# KiCad board boatcontrol.kicad_pcb (continued)
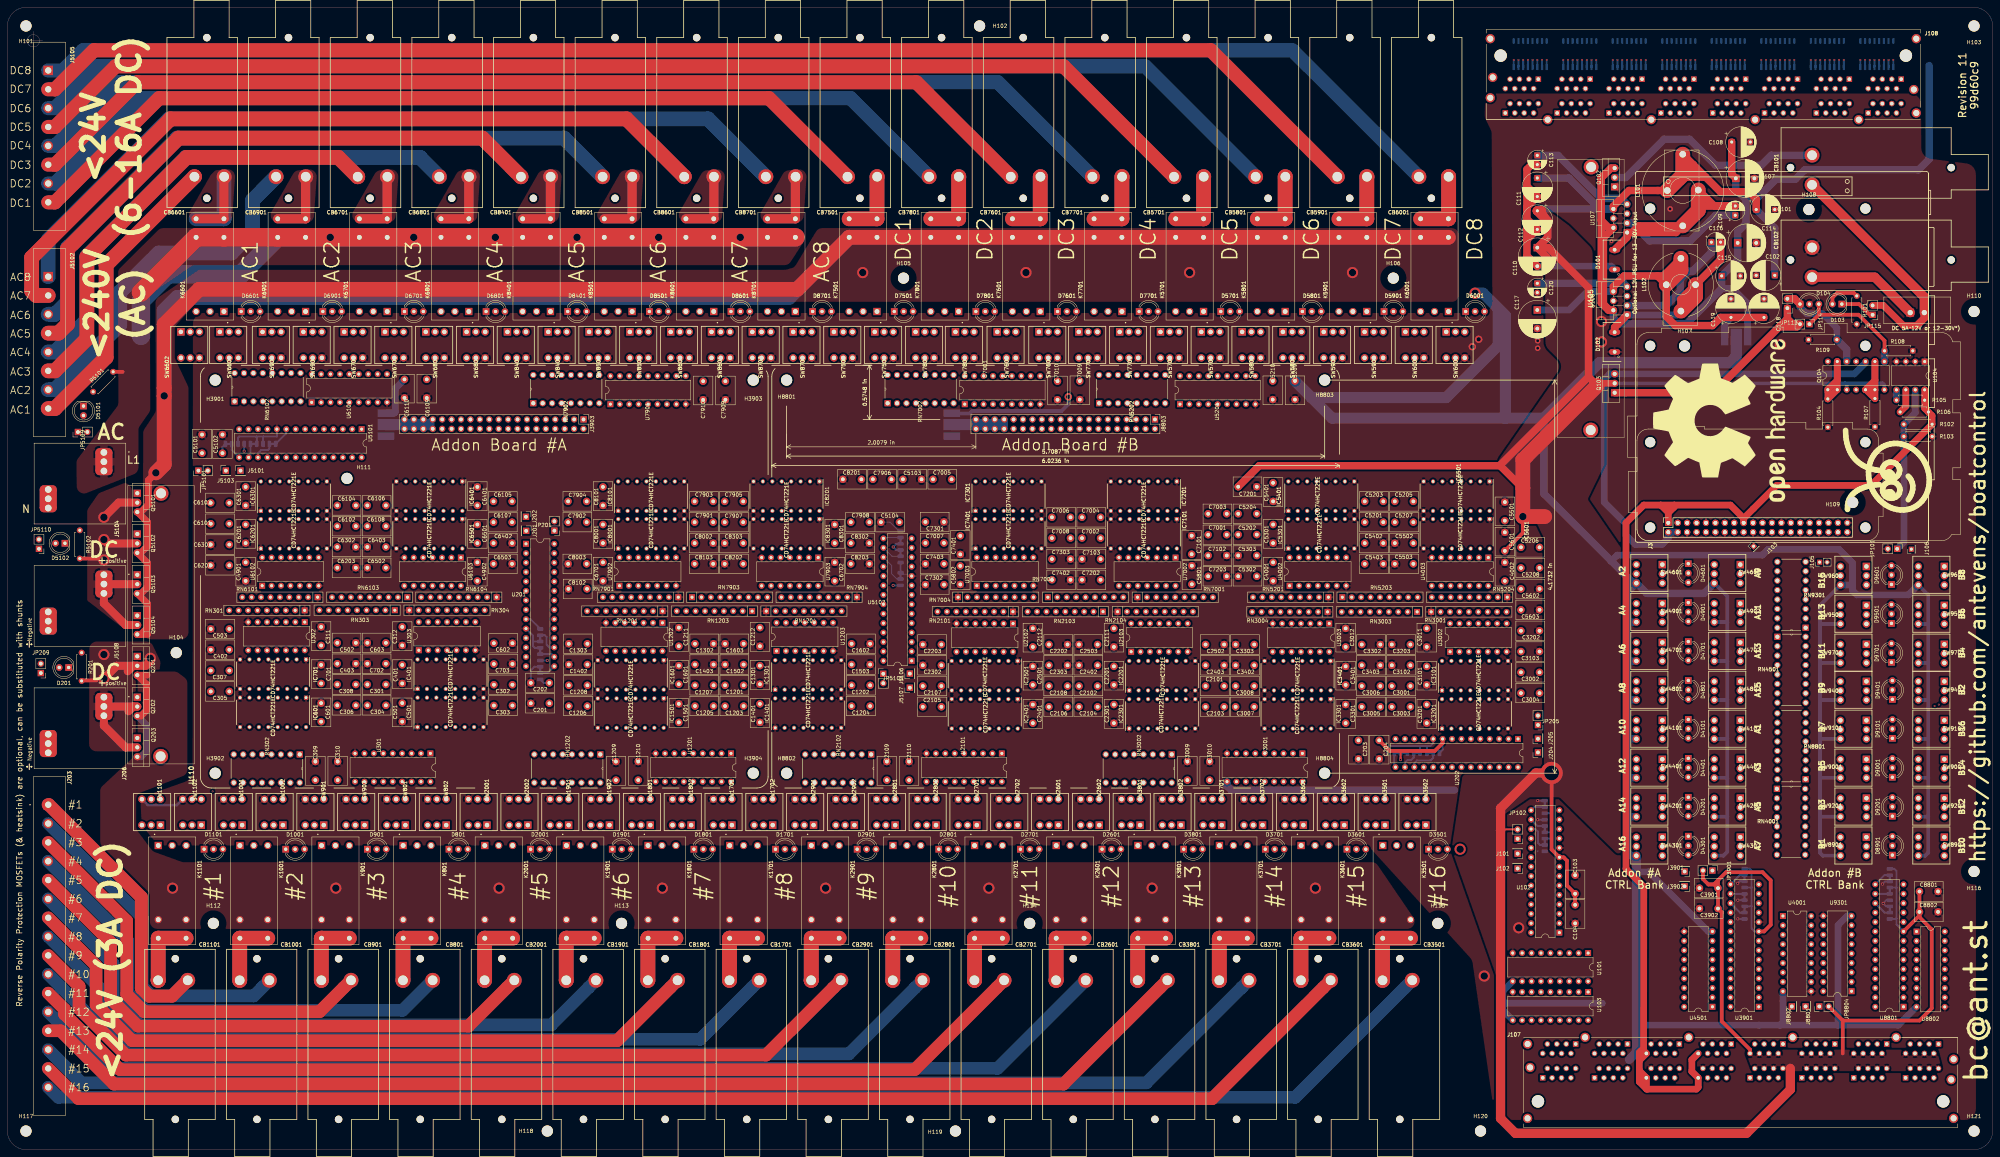
[diagram p0: board, top side]
## Routing (per net, layer and track width the routed paths; a pad name or vN(x,y) marks a point on that pad's centre or on a via; arc(x,y) is an arc through that point) (continued)
230V_AC_C4_ON: length 342.7
  In1.Cu w0.25: U7903.10 208.34,151.73 RN7904.8 ; v4(226.63,147.03) 227.6,148 227.6,155.05 225.75,156.9 225.75,161.99 C8302.2 227.3,166.93 231.7,171.33 236.79,171.33 240.94,175.47 243.22,175.47 243.98,176.23 319.31,176.23 329.9,186.82 357.82,186.82 368.12,197.12 396.79,197.12 414.68,215 414.68,259.5 431.58,276.4 439.19,276.4 441.37,278.58 441.37,279.91 442.65,281.19 442.65,281.74 445.41,284.5 449.08,284.5 J108.M_4
  In2.Cu w0.25: v4(226.63,147.03) 225.98,146.38 216.73,146.38 215.33,147.77 212.3,147.77 RN7904.8
230V_AC_C5_OFF: length 435.6
  In1.Cu w0.25: U6102.5 78.81,151.78 RN6101.4 ; J108.H_8 411.31,280.8 410.5,280.8 410.05,280.35 410.05,278.9 402.86,271.71 402.86,216.62 392.86,206.62 364.17,206.62 353.87,196.32 323.6,196.32 312.91,185.63 274.19,185.63 271.92,187.9 202.62,187.9 201.47,186.75 134.61,186.75 131.06,183.2 100.35,183.2 91.65,174.5 91.65,159.65 C6203.2
  In2.Cu w0.25: U6102.5 83.66,156.9 C6203.2
230V_AC_C5_ON: length 482.6
  In1.Cu w0.25: J108.H_4 406.28,280.85 405.45,280.85 404.95,280.35 404.95,278.64 401.86,275.54 401.86,217.03 392.45,207.62 363.76,207.62 353.46,197.32 323.19,197.32 312.5,186.63 274.6,186.63 272.34,188.9 202.21,188.9 201.06,187.75 134.2,187.75 130.65,184.2 100.7,184.2 94.91,189.99 62.87,189.99 56.75,183.87 56.75,168.35 61.4,163.7 61.4,159.15 C6202.2 61.65,155.7 67.54,155.7 U6102.2 69.59,150.45 67.32,150.45 RN6101.8
230V_AC_C6_OFF: length 486.2
  In1.Cu w0.25: U6102.13 71.19,153.88 72.45,152.62 72.45,151.2 71.8,150.55 70.45,150.55 69.85,149.95 69.36,149.95 RN6101.7 ; C6303.2 56.25,166.7 56.25,184.07 62.67,190.49 95.12,190.49 100.91,184.7 130.44,184.7 134.02,188.27 200.87,188.27 202,189.4 272.54,189.4 274.81,187.13 312.29,187.13 322.98,197.82 353.25,197.82 363.55,208.12 392.24,208.12 401.36,217.24 401.36,279.9 403.52,282.07 J108.H_2
  In2.Cu w0.25: C6303.2 59.8,160.4 63.8,156.4 67.92,156.4 U6102.13
230V_AC_C6_ON: length 438.3
  In1.Cu w0.25: J108.H_6 408.77,280.8 408.05,280.8 407.5,280.25 407.5,278.85 402.36,273.71 402.36,216.83 392.65,207.12 363.97,207.12 353.67,196.82 323.4,196.82 312.71,186.13 274.4,186.13 272.13,188.4 202.41,188.4 201.26,187.25 134.41,187.25 130.86,183.7 100.14,183.7 91.15,174.71 91.15,164.75 C6302.2 ; U6102.10 78.81,154.34 80.17,152.98 80.17,150.6 RN6101.3
  In2.Cu w0.25: C6302.2 83.85,157.45 79.9,157.45 78.81,158.54 U6102.10
230V_AC_C7_OFF: length 440
  In1.Cu w0.25: C6403.2 99.4,165.1 99.4,177.35 104.25,182.2 131.48,182.2 135.03,185.75 201.89,185.75 203.04,186.9 271.51,186.9 273.77,184.63 313.33,184.63 324.02,195.32 354.29,195.32 364.59,205.62 393.27,205.62 403.86,216.21 403.86,269.72 414.19,280.06 414.19,281.94 417.25,285 419.09,285 J108.O_6 420.2,286.05 ; U6103.5 112.04,158.16 115.78,154.42 115.78,149.75 RN6104.7
  In2.Cu w0.25: C6403.2 103.67,160.83 110.86,160.83 U6103.5
230V_AC_C7_ON: length 414
  In1.Cu w0.25: U6103.2 119.66,157.6 126.74,150.52 RN6104.3 ; C6402.2 129.62,164.92 129.62,175.46 129.65,175.45 129.65,175.47 139.42,185.25 202.09,185.25 203.24,186.4 271.3,186.4 273.57,184.13 313.54,184.13 324.23,194.82 354.5,194.82 364.8,205.12 393.48,205.12 404.36,216 404.36,269.51 414.69,279.85 414.69,281.73 417.46,284.5 421.13,284.5 J108.O_4
  In2.Cu w0.25: C6402.2 127.66,160.2 125.7,160.2 123.15,157.65 121.66,157.65 U6103.2
230V_AC_C8_OFF: length 414.6
  In1.Cu w0.25: U6103.13 121.09,150.6 122.55,150.6 RN6104.4 ; J108.O_2 423.17,284 417.67,284 416.55,282.87 416.55,278.6 416.75,278.4 416.75,276.97 415.88,276.1 411.65,276.1 404.86,269.31 404.86,215.79 393.69,204.62 365,204.62 354.7,194.32 324.43,194.32 313.74,183.63 273.36,183.63 271.09,185.9 203.46,185.9 203.16,185.61 203.16,185.61 202.3,184.75 139.63,184.75 132.38,177.49 132.38,159.33 C6503.2
  In2.Cu w0.25: C6503.2 128.4,155.35 122.98,155.35 U6103.13
230V_AC_C8_ON: length 439
  In1.Cu w0.25: J108.O_8 413.69,282.14 413.69,280.27 403.36,269.93 403.36,216.41 393.07,206.12 364.38,206.12 354.08,195.82 323.81,195.82 313.12,185.13 273.98,185.13 271.72,187.4 202.83,187.4 201.68,186.25 134.82,186.25 131.27,182.7 104.04,182.7 98.9,177.56 98.9,160 C6502.2 ; RN6104.8 112.04,150.95 U6103.10
  In2.Cu w0.25: U6103.10 110.86,153.21 101.96,153.21 101,154.16 101,155.9 C6502.2
+5V: length 2856.1
  Top w0.5: 407,96.65 411.91,101.55
  Top w0.508: v1(375.45,105.15) 375.45,107.5 ; 402.4,86.05 402.69,86.34 JP102.2
  Top w1: 458.4,71.5 459.9,71.5 461,72.6 ; 458.4,71.5 460,71.5 C3901.1 ; 458.4,71.5 456.96,72.94 456.96,75 ; J107.E_8 469.62,26.98 462,34.6 462,64 C3902.1 C3901.1 ; C3901.1 461,72.6 ; U202.9 386.79,109.61 384.68,107.5 372.55,107.5 C204.1 ; 494.64,34.8 JP8804.2 ; 494.64,34.8 515.3,34.8 518.6,38.1 518.6,59.39 515.3,62.69 C8802.1 ; 494.64,34.8 494.63,34.79 494.63,25.93 ; C104.1 C103.1 420.3,71.2 420.3,77.9 419.38,78.82 U102.9 416.15,80.92 v3(416.15,101.55) ; 461,72.6 463.2,74.8 473,74.8 475.2,72.6 475.2,60.6 473.42,58.82 U3901.9 ; C5601.1 408.4,166.3 v2(408.4,170.7) ; C8802.1 515.3,63.12 U8801.9 ; C8802.1 C8801.1
  Top w1.8: Q103.2 429.04,206.64 428.44,206.04
  Top w2: 454.33,265.58 457.68,262.23 ; 454.33,265.58 454.33,262.32 454.4,262.25 ; 454.33,265.58 L101.2 ; 457.68,262.23 454.4,262.25 ; 457.68,262.23 461.6,258.3 469.3,258.3 471.3,256.3 C101.1 ; C110.1 415.1,246.02 415.1,250.34 415.05,250.4 413.4,253.1 C112.1 ; C110.1 415.3,243.22 426.1,232.42 426.1,208.38 ; C110.1 412.33,243.22 414.9,240.65 ; 454.4,262.25 452.09,262.23 451.5,262.82 ; U107.6 432.8,254.4 437.02,258.62 L101.2 ; 402.3,184.4 408.4,178.3 ; 402.3,184.4 402.3,184.58 426.1,208.38 ; 402.3,184.4 337.35,184.4 C7201.1 ; 426.1,208.38 428.44,206.04
  Top w2.4: 408.4,178.35 408.4,178.3
  Top w2.5: v3(416.15,101.55) 411.91,101.55 402.4,92.05 402.4,8.4 406.4,4.4 468.7,4.4 480.5,16.2 480.49,21.89 ; 415.05,250.4 412.31,253.14 C112.1 413.36,253.14 413.4,253.1
  Top w4: 414.3,170.7 v2(408.4,170.7) 408.4,186 428.44,206.04 ; L101.2 451.5,262.82 L101.2
  In1.Cu w0.8: v1(238.7,162.5) 240.42,162.5 240.46,162.46 ; 240.47,152.12 240.44,152.15 v1(238.7,152.15)
  In1.Cu w1: IC2401.16 274.88,113.53 C2401.1 ; IC3201.16 385.53,121.47 384.75,122.25 ; U1203.14 205.95,140.75 C1212.1 ; IC2501.16 273.32,123.83 274.1,123.05 ; C3011.1 387.48,140.55 U3002.14 ; U2103.14 299.52,141.87 C2111.1 295.26,143.49 RN2103.1 ; C1211.1 177.85,135.75 U1202.14 ; U202.9 386.79,110.99 ; C4001.1 342.42,159.67 U4002.14 ; C8301.1 220.7,165.8 220.7,170.38 218.84,172.23 222.21,175.6 v4(231.95,175.6) ; 240.47,152.12 U5102.9 ; U7003.14 258.98,157.4 C5802.1 ; U303.14 107.72,142.27 C312.1 ; 300.45,132.55 301.23,131.77 IC2201.16 ; U7002.14 318.78,152.03 C5801.1 316.95,154.7 316.95,159.76 317.74,160.55 C7101.1 ; C1601.1 178.35,125.5 IC1601.16 ; C3101.1 383.97,131.77 IC3101.16 ; C1301.1 205.45,130.5 IC1301.16 ; C8101.1 161.97,180.17 164.6,180.17 ; IC1501.16 178.35,115.2 C1501.1 ; RN7903.1 184.5,147.15 184.6,147.05 200.65,147.05 200.7,147 RN1203.1 ; C6201.1 65.67,170.02 IC6201.16 ; C4002.1 400.42,153.35 U4003.14 ; IC701.16 83.08,124.23 C701.1 ; 341.32,180.17 341.1,179.95 ; 240.16,125.76 JP5105.2 ; C601.1 83.08,113.93 IC601.16 ; IC401.16 107.87,132.17 C401.1 ; C6501.1 124.9,161.8 ; 256.8,170.45 257.23,170.02 260.9,170.02 ; v4(247.9,160.3) 245.3,162.9 245.3,164.08 247.4,166.18 C7301.1 ; RN3003.1 379.92,146.8 379.64,147.08 359.82,147.08 359.75,147.15 RN5203.1 ; C5103.1 243.1,182.5 258.57,182.5 260.9,180.17 ; RN7003.1 280.4,147.15 279.85,146.6 274.2,146.6 273.15,145.55 273.15,138.75 C2112.1 ; U2102.14 273.17,134.23 274.1,133.3
  In1.Cu w1.8: 124.5,171.55 C6401.1 124.5,171.55 ; 124.5,171.55 124.5,165.7 ; C4902.1 124.5,155.5 124.5,165.05 125.15,165.05 C6501.1 124.5,161.4 ; 143.55,143.11 145.05,141.61 145.05,126.85 C202.1 ; 143.55,143.11 143.47,143.03 U201.9 ; 143.55,143.11 v4(143.55,172.5) ; 66.35,166.4 C6201.1 66.35,170.7 ; 66.35,166.4 66.35,160.5 C4901.1 ; 66.35,166.4 66.35,170.7 ; 66.35,170.7 66.35,176.55 C6301.1 ; 249.8,171.65 C7301.1
  In1.Cu w2: 104.21,110.11 104.21,112.59 101.4,115.4 ; C6702.1 220.7,155.6 220.7,161.3 C8301.1 ; C311.1 82.3,133.7 82.3,127.95 C701.1 ; 188.05,110.11 188.05,115.2 197.8,115.2 C1401.1 ; 358.39,127.56 C3401.1 358.4,123.05 ; 358.39,127.56 358.39,123.06 358.4,123.05 ; 358.39,127.56 358.39,133.29 C3012.1 ; 146.06,110.11 146.05,110.13 C201.1 C202.1 ; C6401.1 126.65,175.25 v4(130.3,178.9) ; 358.4,123.05 358.4,117.25 C3301.1 370.44,115 371.65,113.79 376.29,113.79 C3201.1 384.75,122.25 384.75,128.05 C3101.1 ; JP5101.2 54,186.25 C5101.1 ; C6701.1 162.75,160.6 162.75,166.3 C8001.1 ; C8101.1 149.75,178.7 v4(143.55,172.5) ; 287.21,110.11 287.25,110.15 v4(287.25,115) ; C2111.1 300.45,138.3 300.45,132.55 C2201.1 ; RN1203.1 200.7,142.85 C1212.1 ; C2112.1 274.1,133.3 274.1,127.55 C2501.1 274.1,123.05 274.1,117.25 C2401.1 ; 101.4,115.4 C601.1 ; 101.4,115.4 C501.1 ; 249.8,171.65 255.6,171.65 256.8,170.45 ; v4(240.3,110.15) 240.3,148.82 240.46,148.98 240.46,167.71 240.4,167.77 C5104.1 240.46,169.25 C7301.1
  In2.Cu w1: IC2301.16 301.23,121.47 300.45,122.25 ; C311.1 83.23,134.63 U302.14 ; U7903.14 221.63,152.03 C6702.1 ; C7201.1 321.66,178.75 IC7201.16 ; IC1401.16 206.14,122.45 205.05,122.45 ; C3011.1 379.92,143.13 RN3003.1 ; 218.84,162.08 221.48,162.08 C8301.1 ; C3301.1 358.05,115 IC3301.16 ; C8001.1 161.97,170.02 164.6,170.02 162.79,171.84 162.79,176.41 ; IC6301.16 65.67,180.17 C6301.1 ; 402.08,160.22 401.31,160.22 IC5601.16 ; U3003.14 359.33,134.23 C3012.1 ; C6401.1 125.18,172.23 IC6401.16 ; U7902.14 163.63,158.35 C6701.1 ; 345.2,170.02 343.52,170.02 343.35,169.85 ; IC6201.16 65.67,170.02 C6201.1 ; C7101.1 316.68,160.55 IC7101.16 ; IC701.16 83.08,124.23 C701.1 ; C6501.1 125.18,162.08 IC6501.16 ; C3401.1 359.18,123.83 IC3401.16 ; C8802.1 515.3,63.62 ; C5501.1 400.92,172.23 IC5501.16 ; IC501.16 107.87,121.87 C501.1 ; C4902.1 125.33,152.03 U6103.14 ; JP201.2 144.34,172.5 v4(143.55,172.5) ; 61,190.85 C5102.1 ; 61,190.85 61.3,190.85 v1(63.8,188.35) ; 61,190.85 62.44,192.3 73.18,192.3 U5101.9 ; U6102.14 65.52,159.67 C4901.1 ; v4(247,161.2) 248.51,159.69 254.51,159.69 C5802.1 ; v3(416.15,101.55) 416.15,114.57 413.69,117.03 JP205.2 ; C8201.1 230.15,176.95 v4(231.35,175.75) 231.5,175.6 v4(231.95,175.6) ; 345.2,180.17 341.47,180.17 C5401.1 ; C5103.1 241.35,179.13 245.78,174.7 247.61,174.7 250.86,171.45 255.8,171.45 256.8,170.45 C7401.1
  In2.Cu w1.8: C6702.1 228.17,153.35 230.85,150.67 230.85,147.23 230.18,146.56 230.18,110.15
  In2.Cu w2: v4(130.3,178.9) 132.15,177.05 139,177.05 v4(143.55,172.5) ; 205.05,138.5 C1212.1 ; 205.05,138.5 205.05,122.45 ; 205.05,138.5 205.05,132.75 C1301.1 205.05,128.25 205.05,122.45 ; C7201.1 334.3,181.35 339.55,181.35 C5401.1 343.35,177.55 343.35,170.8 C5301.1 ; C5301.1 341.1,166.91 337.74,163.55 320.74,163.55 319.15,161.96 C7101.1 ; C5301.1 343.39,166.26 343.39,160.64 C4001.1 343.35,160.6 343.35,169.85 ; C2201.1 300.45,128.05 300.45,122.25 C2301.1 293.2,115 v4(287.25,115) ; JP5101.2 54,179.1 53.6,178.7 ; C204.1 C203.1 362.1,110.35 ; 146.06,110.11 146.06,120.34 C201.1 C202.1 ; v4(287.25,115) 287.21,114.96 ; v4(287.25,115) C2401.1 ; C8001.1 162.75,170.8 162.75,176.45 C8101.1 162.79,176.41 ; 188.05,110.11 188.05,115.2 C1501.1 178.7,117.45 ; C5501.1 407.3,169.6 v2(408.4,170.7) ; C3101.1 384.75,132.55 384.75,138.3 C3011.1 ; 178.7,117.45 178.7,123.25 C1601.1 178.7,127.75 178.7,133.5 ; 178.7,117.45 178.7,133.5 ; C4002.1 401.3,155.6 401.3,159.43 403.32,161.45 C5601.1 ; C1401.1 205.05,122.45 ; C1211.1 178.7,133.5 ; C601.1 82.3,117.65 82.3,123.45 C701.1 ; C501.1 108.65,122.65 108.65,128.45 C401.1 108.65,132.95 108.65,138.7 C312.1 104.4,142.95 RN303.1 104.79,145.45 107.8,148.46 RN6103.1 ; C5102.1 C5101.1
  In2.Cu w2.5: 360.65,112.65 359.25,112.65 350.4,103.8 328.31,103.8 326.35,105.76 326.35,105.98 322.22,110.11 287.21,110.11
  In2.Cu w3: 287.21,110.11 240.34,110.11 v4(240.3,110.15) 188.09,110.15 188.05,110.11 60.59,110.11 50.9,119.8 50.9,176 53.6,178.7 C6301.1 ; 360.65,111.8 C3301.1 360.65,103.45 360.5,103.3 ; 360.65,110.25 358.3,107.9
  In2.Cu w3.5: 354.15,106.85 356.95,106.85 363.98,99.82 414.42,99.82 416.1,101.5
  Bottom w0.508: 375.45,105 v1(375.45,105.15) JP208.1 377.24,106.94 JP207.3 ; U8801.9 509.1,60.72 509.1,62.35 ; 509.1,62.35 509.1,70.6 ; 509.1,62.35 508.95,62.2 JP106.3 ; 509.1,70.6 509.1,75.15 508.55,75.7 JP108.3 ; 509.1,70.6 509.05,70.65 JP107.1 ; 470.05,70.65 470.05,75.2 469.5,75.75 JP112.3 ; 470.05,70.65 470.05,65.6 ; 470.05,70.65 JP111.3 ; U201.9 140.97,143.03 JP202.3 ; JP105.3 416.1,90.7 416.25,90.55 416.25,85.65 ; JP206.3 386.79,107.79 U202.9 ; JP5107.1 239.5,161.7 v1(238.7,162.5) 239.55,163.35 JP5108.1 ; v1(238.7,152.15) JP5106.3 ; JP5103.3 v1(63.8,188.35) ; 416.25,85.65 416.25,83.85 ; 416.25,85.65 416.15,85.55 JP104.1 ; JP103.1 416.25,83.85 ; 470.05,65.6 JP109.1 ; 470.05,65.6 470.05,59.64 470.87,58.82 U3901.9 ; U102.9 416.25,80.82 416.25,83.85 ; C5102.1 57.95,189.49 JP5104.1 ; v1(145.5,131.9) JP203.3 ; JP204.3 144.55,125.85 C202.1 ; JP5102.1 72.31,190.3 75.15,193.14 U5101.9
  Bottom w1: Q103.2 505.36,206.64 505.84,206.16 Q104.7 ; 495.68,206.18 Q104.3
  Bottom w2: C102.1 476.3,248.5 C101.1 471.3,256.3 476.7,261.7 481.9,261.7 484.4,264.2 515,264.2 517.9,267.1 517.9,292.31 ; C112.1 412.81,253.65 U107.6 429.17,253.65 420.82,262 C111.1
  vias: v4(103.7,110.4) v4(103.7,109.8) v4(104.2,110.7) v4(104.2,110.1) v4(104.2,109.5) v4(104.7,110.4) v4(104.7,109.8) v4(129.8,179.2) v4(129.8,178.6) v4(130.3,179.5) v4(130.3,178.3) v4(130.8,179.2) v4(130.8,178.6) v4(143.05,172.8) v4(143.05,172.2) v4(143.55,173.1) v4(143.55,171.9) v4(144.05,172.8) v4(144.05,172.2) v4(145.55,110.4) v4(145.55,109.8) v4(146.05,110.7) v4(146.05,110.1) v4(146.05,109.5) v4(146.55,110.4) v4(146.55,109.8) v4(187.6,115.5) v4(187.6,114.9) v4(187.55,110.45) v4(187.55,109.85) v4(188.1,115.8) v4(188.1,115.2) v4(188.1,114.6) v4(188.05,110.75) v4(188.05,110.15) v4(188.05,109.55) v4(188.6,115.5) v4(188.6,114.9) v4(188.55,110.45) v4(188.55,109.85) v4(239.8,110.45) v4(239.8,109.85) v4(240.3,110.75) v4(240.3,109.55) v4(240.8,110.45) v4(240.8,109.85) v4(247.45,160.75) v4(254,171.45) v4(254.8,171.45) v4(255.6,171.45) v4(256.2,171.05) v4(256.75,170.5) v4(256.8,169.8) v4(286.75,115.3) v4(286.75,114.7) v4(286.7,110.4) v4(286.7,109.8) v4(287.2,110.7) v4(287.2,110.1) v4(287.2,109.5) v4(287.25,115.6) v4(287.25,114.4) v4(287.75,115.3) v4(287.75,114.7) v4(287.7,110.4) v4(287.7,109.8)
+12V: length 180.6
  Top w2: C107.1 464.7,263 C108.1 ; 429.55,262.07 429.55,228.31 431.53,226.34 U108.2 431.78,226.34 430.12,227.99 430.12,245.9 U107.2 431.53,248.57 429.55,250.55 429.55,262.07 ; 429.55,262.07 432.16,264.68 Q102.3
  Bottom w1.8: 462,232.21 464.96,232.21 469,228.17 JP110.3
  Bottom w2: U108.2 432.8,224.25 434.39,222.66 452.45,222.66 462,232.21 C115.1 466.3,239.9 C114.1 466.3,247.5 468.55,249.75 468.55,256.15 465.8,258.9 C107.1
/12V_RAW: length 112.5
  Top w1.8: JP115.2 505.56,227.64 511,222.2 514.59,222.2
  Top w2: 514.59,222.2 516.61,224.22 J111.2
  Top w2.5: CB101.P1 516.61,229.89 J111.2
  Bottom w2.5: J111.2 516.61,229.89 CB101.P1
/GND_RAW: length 60.8
  Top w2.5: CB102.P1 503.25,235.25 J111.1
  Bottom w2.5: J111.1 503.25,235.25 CB102.P1
GND: length 126.1
  In1.Cu w0.25: J3.30 481.89,167.75 479.35,167.75 J3.25 ; 319,165.4 C7101.2
  In1.Cu w1: C8201.2 219.42,180.75 218.84,180.17 ; IC8201.9 IC8301.8
  In2.Cu w0.25: J3.14 464.07,165.25 469.23,165.25 J3.20
  In2.Cu w0.7: C7302.1 246.28,152.35 243.97,154.66 U5102.10
  Bottom w0.25: 240.7,158.7 240.7,155.15 243.21,155.15 U5102.10 ; 240.7,166.35 237.86,169.19 C5104.2
  Bottom w0.508: 141.65,137.17 141.65,135.77 142.12,135.3 JP203.1 ; 141.65,137.17 141.81,137 JP202.1 ; 141.65,137.17 141.65,138.59 U201.10 ; JP207.1 380.7,108.85 ; 380.7,108.85 382.5,108.85 ; 380.7,108.85 372.55,108.85 372.05,108.35 JP208.3 ; 68.96,192.29 72.61,192.29 U5101.10 ; 68.96,192.29 67.06,192.29 ; 68.96,192.29 68.9,192.23 JP5102.3 ; 382.5,108.85 383.49,108.85 384.25,109.61 U202.10 ; 382.5,108.85 382.55,108.8 JP206.1 ; 67.06,192.29 67.2,192.15 JP5103.1 ; 67.06,192.29 62.44,192.29 62.15,192 JP5104.3 ; JP107.3 506.35,67.25 v1(505.5,66.4) 506.3,65.6 JP106.1 ; JP204.1 142.04,130.2 141.05,129.21 C202.2 ; JP111.1 v1(466.35,67.25) ; v1(466.3,71.8) 466.85,72.35 JP112.1 ; JP5106.1 JP5107.3 ; v1(505.3,71.6) 506,72.3 JP108.1 ; JP104.3 v1(412.4,88.95) ; JP105.1 v1(412.4,94.1) ; JP109.3 v1(466.35,62.2)
  Bottom w0.7: SW1101.6 37.85,92.9 45.65,92.9 SW1102.6
  vias: v2(398,46.8) v2(407.3,59.8) v2(429.6,223.3) v2(429.6,217.8) v2(477.8,217.1) v5(432.3,244.95) v6(412.4,218.1) v6(412.4,216.1) v6(448.1,253.65) v7(394.8,216.5) v7(396.5,218.5)
+12C: length 43.6
  Top w1.8: 37.63,127.92 Q201.3 35.05,127.92 37.48,125.48 37.48,118.43 35.97,116.92 Q202.3
  Bottom w1.8: Q203.3 35.97,105.92 37.48,107.43 37.48,114.48 35.05,116.92 Q202.3 35.97,116.92 37.48,118.43 37.48,125.48 35.05,127.92 Q201.3
  vias: v2(44.5,70.5) v2(88.5,70.5) v2(132.5,70.5) v2(176.5,70.5) v2(220.5,70.5) v2(264.5,70.5) v2(308.5,70.5) v2(352.5,70.5)
+12L: length 756.3
  Top w1.8: Q5104.3 37.8,138.92 ; Q5104.3 35.85,138.92 ; Q5104.3 35.97,138.92 37.8,140.75 37.8,147.17 ; 37.8,140.87 37.8,147.17 ; 37.8,147.17 35.05,149.92 Q5103.3 35.97,149.92 37.8,151.75 37.8,158.17 35.05,160.92 Q5102.3 35.97,160.92 37.8,162.75 37.8,169.17 35.05,171.92 Q5101.3 35.97,171.92 37.99,173.94 37.99,180.49 v2(40,182.5)
  Top w4: v2(40,182.5) 42.25,184.75 v2(42.25,203.25) 42.25,222.55 51.67,231.98 212.83,231.98 K7501.6 K6001.3
  Bottom w1.8: 37.8,138.92 Q5104.3 35.97,138.92 37.48,140.43 37.48,147.48 35.05,149.92 Q5103.3 35.97,149.92 37.8,151.75 37.8,158.17 35.05,160.92 Q5102.3 35.85,160.92 37.41,162.48 37.41,169.56 35.05,171.92 Q5101.3 35.97,171.92 37.99,173.94 37.99,180.49 v2(40,182.5)
  Bottom w4: K7501.6 210.62,229.77 45.77,229.77 42.25,226.25 42.25,184.75 v2(40,182.5)
  vias: v2(230.5,236.5) v2(274.5,236.5) v2(318.6,236.5) v2(362.5,236.5)
+12P: length 3801.9
  In1.Cu w1: 313.4,100.76 249.23,100.76 U2101.10 ; 313.4,100.76 315.13,102.5 ; 313.4,100.76 316.87,100.76 C3009.1 ; 194.76,101.76 177.23,101.76 U1201.10
  In1.Cu w1.8: C309.1 C310.1 93.26,99.63 U301.10 83.42,99.21 C309.1
  In1.Cu w2: K801.9 107.25,78.85 100.42,78.85 99.54,79.73 ; K801.9 110.4,78.9 ; K801.9 113.55,78.85 120.81,78.85 121.54,79.58 121.54,79.73 ; 363.54,79.73 D3601.2 ; 363.54,79.73 364.42,78.85 371.25,78.85 K3501.9 ; 363.54,79.73 363.54,79.49 362.9,78.85 355.55,78.85 K3601.9 ; K3501.9 374.4,79.1 ; K3501.9 377.55,78.85 384.9,78.85 385.54,79.49 385.54,79.73 ; 351.54,227.42 350.74,228.23 342.83,228.23 K5801.9 338.37,228.23 330.49,228.23 329.54,227.27 ; 121.54,79.73 122.42,78.85 129.25,78.85 K2001.9 ; 121.54,79.73 D801.2 ; 219.93,227.03 221.12,228.23 228.37,228.23 K7501.9 230.6,227.38 231.45,228.23 240.74,228.23 241.54,227.42 241.54,227.27 ; K1101.9 47.55,78.85 384.66,78.85 385.54,79.73 ; K1801.9 173.25,78.85 166.42,78.85 165.54,79.73 ; K1801.9 179.55,78.85 186.9,78.85 187.54,79.49 D1801.2 187.54,80.36 189.05,78.85 195.25,78.85 K1701.9 ; K1801.9 176.4,79.1 ; 65.54,227.27 65.54,227.51 64.83,228.23 55.45,228.23 54.6,227.38 K6601.9 56.83,228.23 91.04,228.23 92.62,226.64 92.62,227.07 93.78,228.23 394.83,228.23 395.54,227.51 ; 65.54,227.27 D6601.2 ; 65.54,227.27 66.49,228.23 74.37,228.23 K6901.9 76.6,227.38 77.45,228.23 86.83,228.23 87.54,227.51 87.54,227.27 ; 154.4,79.1 K1901.9 ; K1901.9 157.55,78.85 164.9,78.85 165.54,79.49 165.54,79.73 ; K1901.9 151.25,78.85 144.42,78.85 143.54,79.73 ; K2901.9 217.25,78.85 210.42,78.85 209.54,79.73 ; K2901.9 223.55,78.85 230.81,78.85 231.54,79.58 231.54,79.73 ; K2901.9 220.4,79.4 ; C3009.1 C3010.1 328.26,99.63 U3001.10 ; 87.54,227.27 D6901.2 ; 87.54,227.27 88.49,228.23 96.37,228.23 K6701.9 100.83,228.23 108.83,228.23 109.54,227.51 109.54,227.27 ; K901.9 85.25,78.85 78.42,78.85 77.54,79.73 ; K901.9 91.55,78.85 98.81,78.85 99.54,79.58 99.54,79.73 ; K901.9 88.4,78.9 ; 165.54,79.73 D1901.2 ; K1701.9 201.55,78.85 208.9,78.85 209.54,79.49 209.54,79.73 ; K1701.9 198.4,79.1 ; 231.54,79.73 D2901.2 ; 231.54,79.73 232.42,78.85 239.25,78.85 K2801.9 ; 247.71,99.21 U2101.10 247.26,99.63 C2110.1 C2109.1 235.6,101.03 ; 252.6,226.03 252.57,226.03 250.37,228.23 242.49,228.23 241.54,227.27 ; K2001.9 132.4,78.9 ; K2001.9 135.55,78.85 142.81,78.85 143.54,79.58 143.54,79.73 ; 385.54,79.73 D3501.2 385.54,78.84 ; C1209.1 C1210.1 174.26,99.63 U1201.10 ; 352.4,79.1 K3601.9 ; K3601.9 349.25,78.85 342.42,78.85 341.54,79.73 ; 143.54,79.73 D2001.2 ; 55.54,79.73 56.42,78.85 63.25,78.85 K1001.9 ; 55.54,79.73 55.54,79.49 54.9,78.85 ; 55.54,79.73 D1101.2 55.54,80.36 ; K6001.9 382.37,228.23 375.12,228.23 373.54,226.64 D5901.2 373.54,227.27 372.59,228.23 364.83,228.23 K5901.9 360.37,228.23 352.49,228.23 351.54,227.27 D5801.2 ; K6001.9 389.54,230.94 v2(395.54,230.94) D6001.2 ; K6001.9 386.82,228.23 ; 341.54,79.73 D3701.2 ; 341.54,79.73 341.54,79.49 340.9,78.85 333.55,78.85 K3701.9 ; 307.54,227.51 306.83,228.23 298.83,228.23 K7701.9 294.37,228.23 287.12,228.23 285.54,226.64 D7601.2 285.54,227.27 284.59,228.23 276.83,228.23 K7601.9 272.37,228.23 264.49,228.23 263.54,227.27 ; 99.54,79.73 D901.2 ; 264.4,79.1 K2701.9 ; K2701.9 261.25,78.85 254.42,78.85 253.54,79.73 ; K2701.9 267.55,78.85 274.81,78.85 275.54,79.58 275.54,79.73 ; 242.4,79.1 K2801.9 ; K2801.9 245.55,78.85 252.9,78.85 253.54,79.49 253.54,79.73 ; K1001.9 69.55,78.85 76.9,78.85 77.54,79.49 77.54,79.73 ; K1001.9 66.4,78.9 ; 308.4,78.9 K3801.9 ; K3801.9 305.25,78.85 298.42,78.85 297.54,79.73 ; K3801.9 311.55,78.85 318.9,78.85 319.54,79.49 319.54,79.73 ; 286.4,79.1 K2601.9 ; K2601.9 289.55,78.85 296.9,78.85 297.54,79.49 297.54,79.73 ; K2601.9 283.25,78.85 276.42,78.85 275.54,79.73 ; U5201.10 337.69,207.25 C5210.1 ; 175.54,227.27 175.54,227.51 174.83,228.23 166.83,228.23 K8501.9 162.37,228.23 155.12,228.23 153.54,226.64 D8401.2 153.54,227.51 152.83,228.23 144.83,228.23 K8401.9 140.37,228.23 132.49,228.23 131.54,227.27 ; 175.54,227.27 D8501.2 ; 175.54,227.27 176.49,228.23 184.37,228.23 K8601.9 186.6,227.38 187.45,228.23 196.74,228.23 197.54,227.42 197.54,227.27 ; 197.54,227.27 198.49,228.23 206.37,228.23 K8701.9 210.83,228.23 218.59,228.23 219.54,227.27 D8701.2 ; 197.54,227.27 D8601.2 ; 241.54,227.27 D7501.2 ; 131.54,227.27 D6801.2 ; 131.54,227.27 131.54,227.42 130.74,228.23 122.82,228.23 K6801.9 118.37,228.23 110.49,228.23 109.54,227.27 ; 329.54,227.27 D5701.2 ; 329.54,227.27 328.59,228.23 320.82,228.23 K5701.9 316.37,228.23 308.49,228.23 307.54,227.27 D7701.2 ; 77.54,79.73 D1001.2 ; 275.54,79.73 D2701.2 ; 297.54,79.73 D2601.2 ; K3701.9 327.25,78.85 320.42,78.85 319.54,79.73 ; K3701.9 330.4,79.1 ; 209.54,79.73 D1701.2 ; 253.54,79.73 D2801.2 ; 319.54,79.73 D3801.2 ; 109.54,227.27 D6701.2 ; 263.54,227.27 D7801.2 ; 263.54,227.27 263.54,227.51 262.83,228.23 254.82,228.23 K7801.9 ; C310.1 90.63,101.26 95.26,101.26 94.6,101.26 93.68,100.34 ; v7(285.9,203) 285.9,204.15 C7009.1
  In1.Cu w2.5: 85.13,101.76 C309.1
  In1.Cu w3: 161.87,101.76 166.13,101.76 ; 161.87,101.76 C1209.1 ; 161.87,101.76 85.13,101.76 ; 235.1,101.53 C2109.1 247.26,99.63 ; 235.1,101.53 216.2,101.53 211.24,106.5 199.5,106.5 194.76,101.76 166.13,101.76 ; 235.1,101.53 248.77,101.53 ; 166.13,101.76 C1209.1 ; C1209.1 165.41,99.63 ; C1209.1 174.26,99.63 ; K1101.9 44.4,80.62 46.67,78.35 385.05,78.35 ; 385.05,78.35 385.54,78.84 ; 385.05,78.35 386.03,78.35 ; 385.05,78.35 390.97,78.35 391.5,78.88 v2(391.5,81)
  In1.Cu w3.5: 327.63,99.63 C3009.1 315.13,102.5 245.87,102.5 ; v2(395.54,230.94) 387.74,230.94 384.6,227.8 384.6,226.5
  In2.Cu w1.8: U6101.10 105.58,209.12 C6110.1
  In2.Cu w2: 337.69,207.25 336.34,208.6 336.32,208.59 336.32,208.13 334.44,206.25 ; C2109.1 C2110.1 ; 181.13,205.8 114.9,205.8 C6109.1 C6110.1 ; 181.13,205.8 182.82,207.49 U7901.10 184.24,207.2 C7910.1 ; 181.13,205.8 186.1,205.8 C7910.1 ; U5201.10 336.32,207.49 335.08,206.25 ; 335.08,206.25 340,206.25 C5210.1 ; 335.08,206.25 290,206.25 C7009.1 288.95,207.2 C7010.1 279.74,207.2 U7001.10 ; D8701.2 219.54,212.29 217.8,210.55 196.85,210.55 C7909.1 C7910.1 ; C1209.1 C1210.1 174.26,99.63 U1201.10 ; C3009.1 C3010.1
  In2.Cu w2.4: 347.15,207.25 C5209.1 337.69,207.25
  In2.Cu w4: 337.69,207.25 347.35,207.25
  Bottom w1: 254.5,198.5 259.35,198.5 260,199.15 284.05,199.15 285.9,201 v7(285.9,203) ; SW4902.6 463.45,142.25 463.5,142.2 ; SW4802.6 463.45,121.25 463.5,121.3 ; 463.5,142.2 463.5,131.5 ; 463.5,142.2 463.5,149.25 SW4602.6 458.25,151 ; 463.5,131.5 463.25,131.75 SW4702.6 ; 463.5,131.5 463.5,121.3 ; 517.65,131.3 517.6,131.25 SW9702.6 ; 517.65,131.3 517.65,141.75 ; 517.65,131.3 517.65,121.2 ; 488.5,141.7 488.5,146.75 SW9601.6 ; 488.5,141.7 488.5,131 ; 488.5,141.7 488.55,141.75 SW9501.6 494,142.2 ; 463.5,110.8 463.45,110.75 SW4102.6 ; 463.5,110.8 463.5,100.1 ; 463.5,110.8 463.5,121.3 ; 517.65,89.75 517.65,100.25 ; 517.65,89.75 517.65,80.05 516.85,79.25 SW8902.6 ; 517.65,89.75 SW9202.6 ; 517.65,100.25 517.65,110.85 ; 517.65,100.25 SW9002.6 ; 517.65,110.85 517.65,121.2 ; 517.65,110.85 517.55,110.75 SW9102.6 ; 463.5,100.1 463.5,89.7 ; 463.5,100.1 463.35,100.25 SW4402.6 ; 463.5,89.7 463.5,80.3 462.45,79.25 SW4302.6 ; 463.5,89.7 463.45,89.75 SW4202.6 460,90.25 ; SW9602.6 517.65,149.6 517.65,141.75 ; SW9101.6 488.55,110.75 488.5,110.8 ; SW9701.6 488.75,131.25 488.5,131 ; 488.5,131 488.5,121.3 ; 488.5,121.3 488.5,110.8 ; 488.5,121.3 488.55,121.25 SW9401.6 ; 488.5,89.7 488.55,89.75 SW9201.6 ; 488.5,89.7 488.5,80 489.25,79.25 SW8901.6 ; 488.5,89.7 488.5,100.3 ; 517.65,141.75 SW9502.6 ; 488.5,110.8 488.5,100.3 ; SW9001.6 488.55,100.25 488.5,100.3 ; 517.65,121.2 517.6,121.25 SW9402.6
  Bottom w1.8: C6110.1 104.55,205.25 104.55,198.9 104.25,198.6 JP8701.3 ; U8802.9 509.57,33.55 493.35,33.55 ; U101.10 403.05,42.75 403.05,39.45 ; 403.05,39.45 403.05,37.51 U103.10 ; 403.05,39.45 429.85,39.45 ; 477.7,33.55 439,33.55 ; 477.7,33.55 478.5,34.35 U4001.9 ; 477.7,33.55 493.35,33.55 ; 497.25,152.15 497.25,150.75 498.4,149.6 512.35,149.6 SW9602.6 ; 497.25,152.15 497.15,152.25 SW9601.6 ; 497.25,152.15 497.25,158.2 493.6,161.85 474.5,161.85 472.95,160.3 433.85,160.3 432.25,158.7 ; 439,74.87 439.02,74.89 442.29,74.89 458.37,58.82 U4501.9 ; 493.35,33.55 493.35,60.5 495.87,63.02 U9301.9
  Bottom w2: 436.4,100.3 436.4,110.9 ; 436.4,100.3 436.4,89.8 ; 436.4,100.3 436.45,100.25 SW4401.6 ; 436.4,110.9 436.55,110.75 SW4101.6 ; 436.4,110.9 436.4,121.5 ; 436.4,89.8 436.45,89.75 SW4201.6 ; 436.4,89.8 436.4,80.44 437.59,79.25 SW4301.6 ; SW4602.6 457.25,150 441.75,150 SW4601.6 ; 436.4,121.5 436.65,121.25 SW4801.6 ; 436.4,121.5 436.4,132 ; U3001.10 328.68,98.08 329.81,96.95 389.95,96.95 ; 414.1,197.25 414.1,176.82 432.25,158.7 437.92,153 438.9,153 439,152.9 SW4601.6 ; 436.4,132 436.4,141.9 ; 436.4,132 436.65,131.75 SW4701.6 ; 436.4,141.9 436.75,142.25 SW4901.6 ; 436.4,141.9 436.4,150.15 SW4601.6
  Bottom w2.4: SW4301.6 439,26.2 437.1,24.3
  Bottom w3: 351.45,202.8 357,197.25 414.1,197.25 429.05,212.2 464.25,212.2 465.9,213.85 JP110.2 ; 351.45,202.8 387.75,202.8 401.75,216.8 401.75,226.85 ; 351.45,202.8 C5209.1 ; 401.75,226.85 403.7,224.9 403.7,197.25 ; 401.75,226.85 397.66,230.94 v2(395.54,230.94)
